# KiCad board Phoenix_Project_No1-TypeS.kicad_pcb
title: Phoenix Project No 1 - Type S; date: 2024-07-13; rev: 2.1; note: Designed with love by Rico
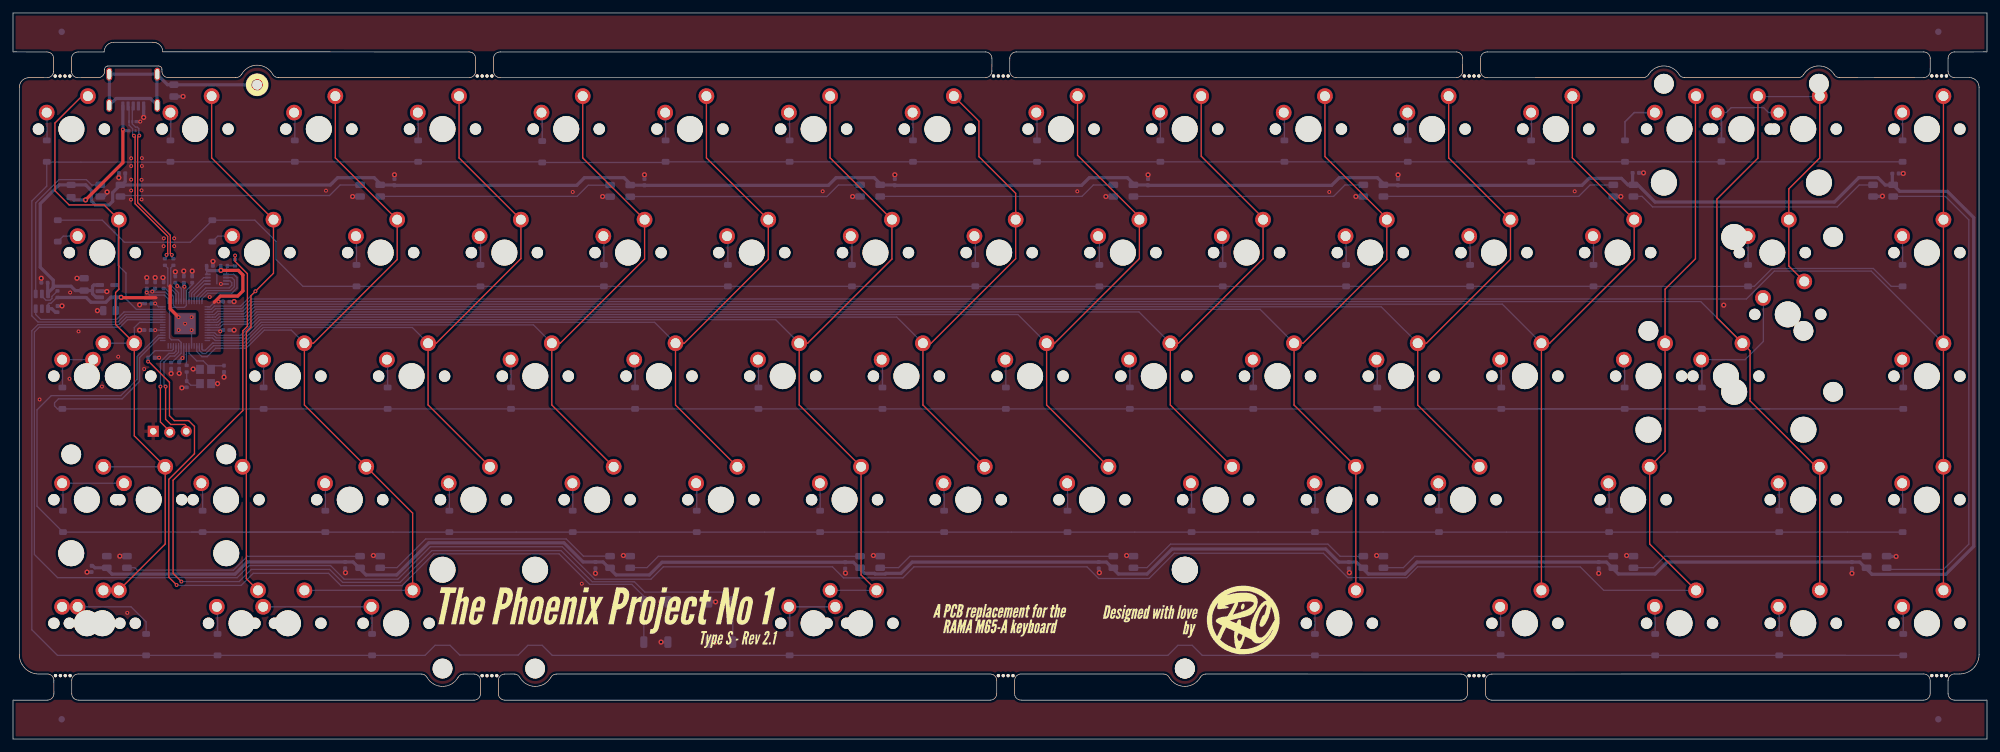
[diagram p0: board, top side]
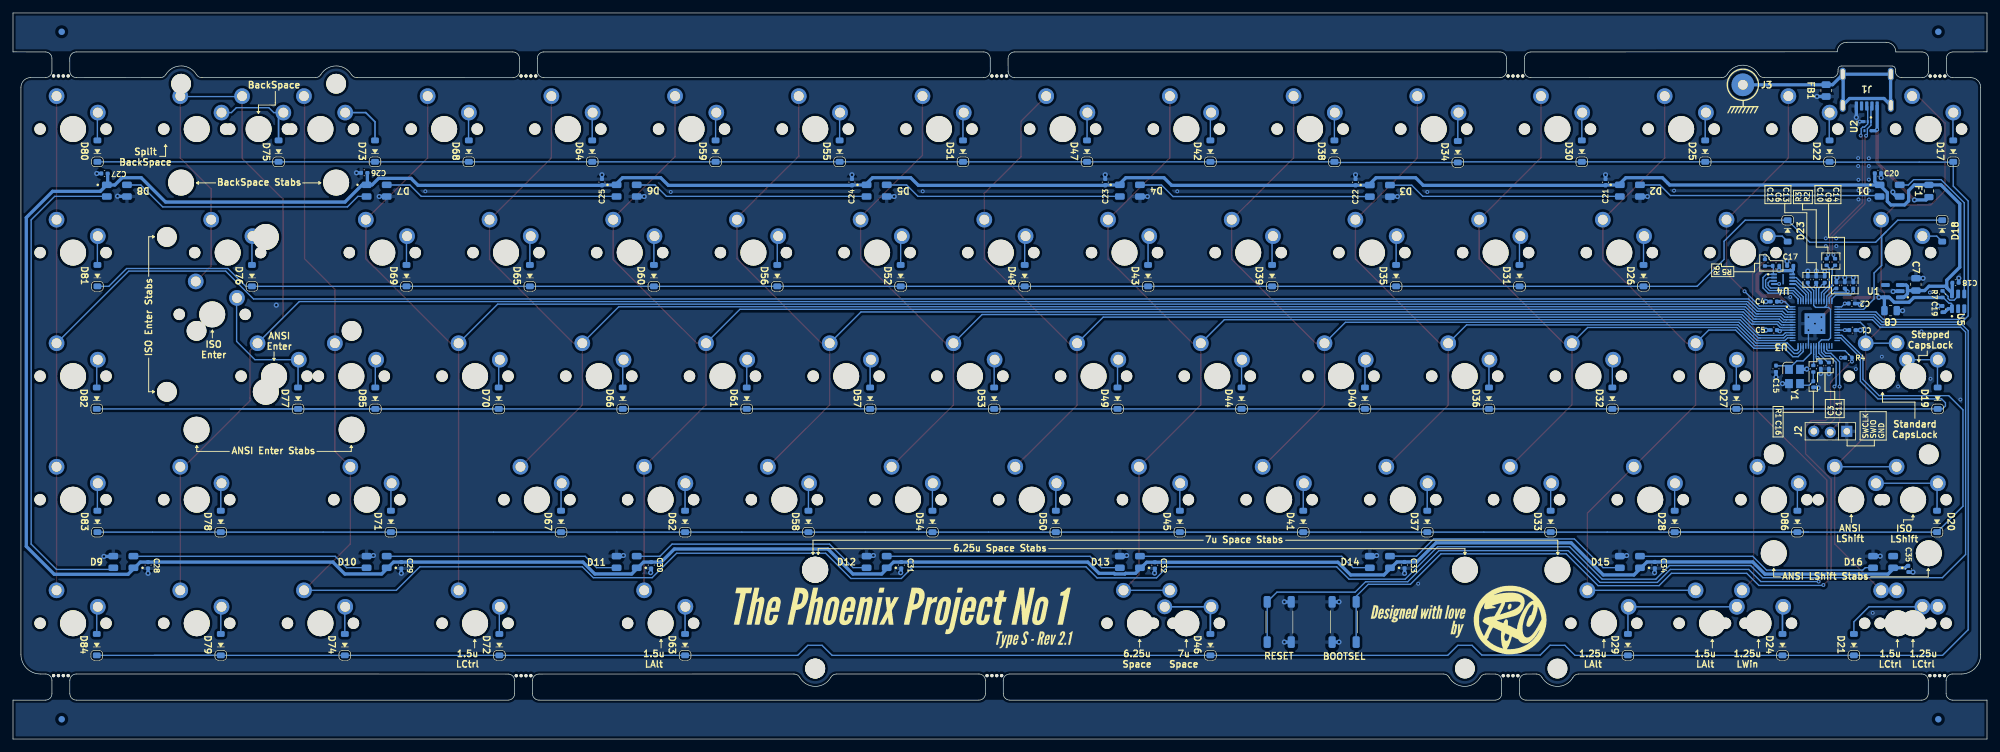
[diagram p1: board, bottom side, seen from below]

Outline 304 x 111.95 mm; copper layers: Top, Bottom. Coordinates in mm from the lower left corner of the outline.
Outline path: 5.25,101.97 2.48,101.98 arc(1.41,101.54) 0.98,100.48 0.98,13.03 arc(1.85,10.9) 3.98,10.03 5.3,10.03 ; 5.25,105.94 0,105.95 0,111.95 304,111.95 304,105.95 299,105.94 ; 5.3,6 0,6 0,0 304,0 304,6 299,6 ; 6.25,102.97 6.25,104.94 ; 6.3,7 6.3,9.03 ; 9,102.97 9.01,104.94 ; 9.05,7 9.05,9.03 ; 10,101.97 13.11,101.98 arc(13.82,102.27) 14.11,102.98 14.11,103.28 arc(14.26,103.63) 14.61,103.78 22.44,103.78 arc(22.79,103.63) 22.94,103.28 22.94,102.98 arc(23.23,102.27) 23.94,101.98 34.33,101.98 arc(34.84,102.12) 35.2,102.5 arc(37.6,103.9) 40,102.5 arc(40.36,102.12) 40.87,101.98 70.25,101.98 ; 10.05,10.03 62.88,10.03 arc(63.39,9.89) 63.75,9.52 arc(66.15,8.12) 68.55,9.52 arc(68.91,9.89) 69.42,10.03 71,10.02 ; 10.05,6 71,6 ; 10,105.94 14.04,105.94 arc(14.48,107) 15.54,107.43 21.57,107.43 arc(22.63,107.01) 23.07,105.96 70.25,105.94 ; 71.25,102.98 71.25,104.94 ; 72,7 72,9.02 ; 74,102.98 74,104.94 ; 74.75,7 74.75,9.02 ; 75,105.94 149.75,105.94 ; 75,101.98 149.75,101.98 ; 75.75,6 150.5,6 ; 75.75,10.02 77.17,10.03 arc(77.67,9.89) 78.04,9.52 arc(80.44,8.12) 82.83,9.52 arc(83.2,9.89) 83.71,10.03 150.5,10.03 ; 150.75,102.98 150.75,104.94 ; 151.5,7 151.5,9.03 ; 153.5,102.98 153.5,104.94 ; 154.25,7 154.25,9.03 ; 154.5,101.98 222.25,101.98 ; 154.5,105.94 222.25,105.94 ; 155.25,6 223,6 ; 155.25,10.03 177.18,10.03 arc(177.69,9.89) 178.05,9.52 arc(180.45,8.12) 182.85,9.52 arc(183.21,9.89) 183.72,10.03 223,10.02 ; 223.25,102.98 223.25,104.94 ; 224,7 224,9.02 ; 226,102.98 226,104.94 ; 226.75,7 226.75,9.02 ; 227,101.98 251.03,101.98 arc(251.52,102.1) 251.88,102.46 arc(254.24,103.78) 256.59,102.46 arc(256.95,102.1) 257.45,101.98 274.9,101.98 arc(275.4,102.1) 275.76,102.46 arc(278.11,103.79) 280.47,102.46 arc(280.83,102.1) 281.32,101.98 294.25,101.99 ; 227,105.94 294.25,105.94 ; 227.75,10.02 294.25,10.03 ; 227.75,6 294.25,6 ; 295.25,102.99 295.25,104.94 ; 295.25,7 295.25,9.03 ; 298,102.99 298,104.94 ; 298,7 298,9.03 ; 299,101.99 301.27,101.99 arc(302.34,101.55) 302.78,100.49 302.78,13.03 arc(301.89,10.9) 299.75,10.03 299,10.03
Stack: Top 0.035mm / dielectric 1.51mm FR4 er 4.5 / Bottom 0.035mm

## Placement (name value [footprint] x y rotation side)
C1  100n  [C_402]  20.72 63.05 180 bottom
C2  100n  [C_402]  20.82 67.15 180 bottom
C3  100n  [C_402]  25.6 57.58 270 bottom
C4  100n  [C_402]  32.85 67.45 0 bottom
C5  100n  [C_402]  32.85 63.05 0 bottom
C6  100n  [C_402]  26.3 70.85 90 bottom
C7  4.7u  [C_805]  10.95 70.1 90 bottom
C8  4.7u  [C_805]  14.85 66.05 180 bottom
C9  1u  [C_402]  21.9 69.95 90 bottom
C10  1u  [C_402]  23.2 69.95 90 bottom
C11  100n  [C_402]  24.35 57.58 270 bottom
C12  100n  [C_402]  27.6 70.85 90 bottom
C13  100n  [C_402]  25 70.85 90 bottom
C14  100n  [C_402]  20.6 69.95 90 bottom
C15  30p  [C_402]  32.5 57.1 90 bottom
C16  30p  [C_402]  26.75 54.7 90 bottom
C17  100n  [C_402]  30.3 72.95 0 bottom
C18  100n  [C_402]  4.85 70.35 180 bottom
C19  100n  [C_402]  6.85 66.29 90 bottom
C20  100n  [C_402]  16.8 87.25 0 bottom
C21  100n  [C_402]  58.75 85.85 270 bottom
C22  100n  [C_402]  97.25 85.85 270 bottom
C23  100n  [C_402]  135.8 85.85 270 bottom
C24  100n  [C_402]  174.8 85.85 270 bottom
C25  100n  [C_402]  213.3 85.85 270 bottom
C26  100n  [C_402]  249.9 87.3 180 bottom
C27  100n  [C_402]  289.9 87.2 180 bottom
C28  100n  [C_402]  283.2 26.8 90 bottom
C29  100n  [C_402]  244.2 26.8 90 bottom
C30  100n  [C_402]  205.72 26.8 90 bottom
C31  100n  [C_402]  167.21 26.81 90 bottom
C32  100n  [C_402]  128.16 26.78 90 bottom
C33  100n  [C_402]  89.7 26.82 90 bottom
C34  100n  [C_402]  51.16 26.82 90 bottom
C35  100n  [C_402]  12.1 26.23 90 bottom
D1  WS2812B  [WS6812_Mini]  15 84.55 180 bottom
D2  WS2812B  [WS6812_Mini]  55 84.55 180 bottom
D3  WS2812B  [WS6812_Mini]  93.5 84.52 180 bottom
D4  WS2812B  [WS6812_Mini]  132 84.55 180 bottom
D5  WS2812B  [WS6812_Mini]  171 84.55 180 bottom
D6  WS2812B  [WS6812_Mini]  209.5 84.55 180 bottom
D7  WS2812B  [WS6812_Mini]  248 84.55 180 bottom
D8  WS2812B  [WS6812_Mini]  288 84.55 180 bottom
D9  WS2812B  [WS6812_Mini]  287 27.3 0 bottom
D10  WS2812B  [WS6812_Mini]  248 27.3 0 bottom
D11  WS2812B  [WS6812_Mini]  209.5 27.3 0 bottom
D12  WS2812B  [WS6812_Mini]  171 27.3 0 bottom
D13  WS2812B  [WS6812_Mini]  132 27.3 0 bottom
D14  WS2812B  [WS6812_Mini]  93.5 27.3 0 bottom
D15  WS2812B  [WS6812_Mini]  55 27.3 0 bottom
D16  WS2812B  [WS6812_Mini]  16 27.3 0 bottom
D17  1N4148W  [D_SOD-123]  5.2 90.65 90 bottom
D18  1N4148W  [D_SOD-123]  6.9 78.35 270 bottom
D19  1N4148W  [D_SOD-123]  7.6 52.55 90 bottom
D20  1N4148W  [D_SOD-123]  7.7 33.55 90 bottom
D21  1N4148W  [D_SOD-123]  20.5 14.55 90 bottom
D22  1N4148W  [D_SOD-123]  24.25 90.65 90 bottom
D23  1N4148W  [D_SOD-123]  30.7 78.35 270 bottom
D24  1N4148W  [D_SOD-123]  31.5 14.55 90 bottom
D25  1N4148W  [D_SOD-123]  43.4 90.65 90 bottom
D26  1N4148W  [D_SOD-123]  52.9 71.45 90 bottom
D27  1N4148W  [D_SOD-123]  38.6 52.55 90 bottom
D28  1N4148W  [D_SOD-123]  48.1 33.55 90 bottom
D29  1N4148W  [D_SOD-123]  55.3 14.55 90 bottom
D30  1N4148W  [D_SOD-123]  62.4 90.65 90 bottom
D31  1N4148W  [D_SOD-123]  72 71.45 90 bottom
D32  1N4148W  [D_SOD-123]  57.7 52.55 90 bottom
D33  1N4148W  [D_SOD-123]  67.2 33.55 90 bottom
D34  1N4148W  [D_SOD-123]  81.5 90.55 90 bottom
D35  1N4148W  [D_SOD-123]  91 71.45 90 bottom
D36  1N4148W  [D_SOD-123]  76.7 52.55 90 bottom
D37  1N4148W  [D_SOD-123]  86.2 33.55 90 bottom
D38  1N4148W  [D_SOD-123]  100.5 90.65 90 bottom
D39  1N4148W  [D_SOD-123]  110.1 71.45 90 bottom
D40  1N4148W  [D_SOD-123]  95.8 52.55 90 bottom
D41  1N4148W  [D_SOD-123]  105.3 33.55 90 bottom
D42  1N4148W  [D_SOD-123]  119.6 90.65 90 bottom
D43  1N4148W  [D_SOD-123]  129.2 71.45 90 bottom
D44  1N4148W  [D_SOD-123]  114.8 52.55 90 bottom
D45  1N4148W  [D_SOD-123]  124.3 33.55 90 bottom
D46  1N4148W  [D_SOD-123]  119.6 14.55 90 bottom
D47  1N4148W  [D_SOD-123]  138.6 90.65 90 bottom
D48  1N4148W  [D_SOD-123]  148.2 71.45 90 bottom
D49  1N4148W  [D_SOD-123]  133.9 52.55 90 bottom
D50  1N4148W  [D_SOD-123]  143.4 33.55 90 bottom
D51  1N4148W  [D_SOD-123]  157.7 90.65 90 bottom
D52  1N4148W  [D_SOD-123]  167.3 71.45 90 bottom
D53  1N4148W  [D_SOD-123]  152.9 52.55 90 bottom
D54  1N4148W  [D_SOD-123]  162.4 33.55 90 bottom
D55  1N4148W  [D_SOD-123]  176.7 90.65 90 bottom
D56  1N4148W  [D_SOD-123]  186.3 71.45 90 bottom
D57  1N4148W  [D_SOD-123]  172 52.55 90 bottom
D58  1N4148W  [D_SOD-123]  181.5 33.55 90 bottom
D59  1N4148W  [D_SOD-123]  195.8 90.65 90 bottom
D60  1N4148W  [D_SOD-123]  205.3 71.45 90 bottom
D61  1N4148W  [D_SOD-123]  191 52.55 90 bottom
D62  1N4148W  [D_SOD-123]  200.5 33.55 90 bottom
D63  1N4148W  [D_SOD-123]  200.5 14.55 90 bottom
D64  1N4148W  [D_SOD-123]  214.8 90.65 90 bottom
D65  1N4148W  [D_SOD-123]  224.4 71.45 90 bottom
D66  1N4148W  [D_SOD-123]  210.1 52.55 90 bottom
D67  1N4148W  [D_SOD-123]  219.6 33.55 90 bottom
D68  1N4148W  [D_SOD-123]  233.8 90.65 90 bottom
D69  1N4148W  [D_SOD-123]  243.4 71.45 90 bottom
D70  1N4148W  [D_SOD-123]  229.2 52.55 90 bottom
D71  1N4148W  [D_SOD-123]  245.8 33.55 90 bottom
D72  1N4148W  [D_SOD-123]  229.1 14.55 90 bottom
D73  1N4148W  [D_SOD-123]  248.25 90.65 90 bottom
D74  1N4148W  [D_SOD-123]  252.9 14.55 90 bottom
D75  1N4148W  [D_SOD-123]  263.1 90.65 90 bottom
D76  1N4148W  [D_SOD-123]  267.2 71.45 90 bottom
D77  1N4148W  [D_SOD-123]  260.1 52.55 90 bottom
D78  1N4148W  [D_SOD-123]  272 33.55 90 bottom
D79  1N4148W  [D_SOD-123]  272 14.55 90 bottom
D80  1N4148W  [D_SOD-123]  291 90.65 90 bottom
D81  1N4148W  [D_SOD-123]  291 71.45 90 bottom
D82  1N4148W  [D_SOD-123]  291.1 52.55 90 bottom
D83  1N4148W  [D_SOD-123]  291 33.55 90 bottom
D84  1N4148W  [D_SOD-123]  291.1 14.55 90 bottom
D85  1N4148W  [D_SOD-123]  248.2 52.55 90 bottom
D86  1N4148W  [D_SOD-123]  29.2 33.55 90 bottom
F1  SMD0805-110  [F_805]  8.95 84.5 90 bottom
FB1  CBW201209U121T  [R_805]  24.78 99.99 90 bottom
FID1  Fiducial  [Fiducial_1mm_Mask2mm]  7.5 109.05 180 bottom
FID2  Fiducial  [Fiducial_1mm_Mask2mm]  296.5 109.05 180 bottom
FID3  Fiducial  [Fiducial_1mm_Mask2mm]  7.5 3.05 0 bottom
FID4  Fiducial  [Fiducial_1mm_Mask2mm]  296.5 3.05 0 bottom
H1  Phoenix_Projet_TypeS_Rev2_Front  [The_Phoenix_Project_No1_TypeS_Rev2_1_Logo]  91.7 18.65 0 top
H2  Phoenix_Projet_TypeS_Rev2_Back  [The_Phoenix_Project_No1_TypeS_Rev2_1_Logo]  166.8 18.6 180 bottom
H3  M65A_Text_Front  [M65-A_Replacement_Logo]  151.95 18.4 0 top
H4  Designed_By_Front  [DesignedWithLove_Logo]  175.25 18.35 0 top
H5  Rico_Logo_Front  [Rico_Logo]  189.4 18.35 0 top
H6  Designed_By_Back  [DesignedWithLove_Logo]  87.5 18.35 180 bottom
H7  Rico_Logo_Back  [Rico_Logo]  73.5 18.35 180 bottom
H8  -  [Mousebite4_half]  8 102.22 180 top
H9  -  [Mousebite4_half]  73 102.23 180 top
H10  -  [Mousebite4_half]  152.5 102.23 180 top
H11  -  [Mousebite4_half]  225 102.23 180 top
H12  -  [Mousebite4_half]  297 102.24 180 top
H13  -  [Mousebite4_half]  7.3 9.78 0 top
H14  -  [Mousebite4_half]  73 9.77 0 top
H15  -  [Mousebite4_half]  152.5 9.78 0 top
H16  -  [Mousebite4_half]  225 9.77 0 top
H17  -  [Mousebite4_half]  296.25 9.78 0 top
H18  -  [Mousebite4_nohole]  224.25 105.69 0 top
H19  -  [Mousebite4_nohole]  7.25 105.69 0 top
H20  -  [Mousebite4_nohole]  8.05 6.25 180 top
H21  -  [Mousebite4_nohole]  297 6.25 180 top
H22  -  [Mousebite4_nohole]  72.25 105.69 0 top
H23  -  [Mousebite4_nohole]  73.75 6.25 180 top
H24  -  [Mousebite4_nohole]  225.75 6.25 180 top
H25  -  [Mousebite4_nohole]  151.75 105.69 0 top
H26  -  [Mousebite4_nohole]  296.25 105.69 0 top
H27  -  [Mousebite4_nohole]  153.25 6.25 180 top
J1  USB_B_Mini  [HRO-U-M-M5DD-W-1]  18.52 96.51 180 bottom
J2  SWD  [SWD_Header]  21.6 47.45 270 bottom
J3  Shield  [Shield_Pad]  37.6 100.88 0 top
R1  1000  [R_402]  26.75 57.1 90 bottom
R2  27  [R_402]  23.4 73.55 270 bottom
R3  27  [R_402]  24.7 73.55 270 bottom
R4  10k  [R_402]  21.3 58.8 0 bottom
R5  10k  [R_402]  32.5 72.95 180 bottom
R6  1000  [R_402]  34.2 73.45 270 bottom
R7  10k  [R_402]  6.85 68.59 90 bottom
SW1  K2-1187SQ-A4SW-06  [K2-1187SQ-B4SW-06]  109 18.05 90 bottom
SW2  K2-1187SQ-A4SW-06  [K2-1187SQ-B4SW-06]  99 18.05 270 bottom
SW3  `  [Mx_Sw_1u]  9 94.05 0 top
SW4  Tab  [Mx_Sw_15u]  13.76 75 0 top
SW5  Caps  [Mx_Sw_Stepped_175u]  11.38 55.95 0 top
SW6  LShift  [Mx_Sw_225u]  20.91 36.9 0 top
SW7  LCtrl  [Mx_Sw_15u]  13.76 17.85 0 top
SW8  Caps  [Mx_Sw_175u]  16.14 55.95 0 top
SW9  LCtrl  [Mx_Sw_125u]  11.38 17.85 0 top
SW10  1  [Mx_Sw_1u]  28.05 94.05 0 top
SW11  Q  [Mx_Sw_1u]  37.58 75 0 top
SW12  LWin  [Mx_Sw_125u]  35.19 17.85 0 top
SW13  2  [Mx_Sw_1u]  47.1 94.05 0 top
SW14  W  [Mx_Sw_1u]  56.62 75 0 top
SW15  A  [Mx_Sw_1u]  42.34 55.95 0 top
SW16  Z  [Mx_Sw_1u]  51.86 36.9 0 top
SW17  LAlt  [Mx_Sw_15u]  42.34 17.85 0 top
SW18  LAlt  [Mx_Sw_125u]  59.01 17.85 0 top
SW19  3  [Mx_Sw_1u]  66.15 94.05 0 top
SW20  E  [Mx_Sw_1u]  75.67 75 0 top
SW21  S  [Mx_Sw_1u]  61.39 55.95 0 top
SW22  X  [Mx_Sw_1u]  70.91 36.9 0 top
SW23  4  [Mx_Sw_1u]  85.2 94.05 0 top
SW24  R  [Mx_Sw_1u]  94.72 75 0 top
SW25  D  [Mx_Sw_1u]  80.44 55.95 0 top
SW26  C  [Mx_Sw_1u]  89.96 36.9 0 top
SW27  5  [Mx_Sw_1u]  104.25 94.05 0 top
SW28  T  [Mx_Sw_1u]  113.78 75 0 top
SW29  F  [Mx_Sw_1u]  99.49 55.95 0 top
SW30  V  [Mx_Sw_1u]  109.01 36.9 0 top
SW31  6  [Mx_Sw_1u]  123.3 94.05 0 top
SW32  Y  [Mx_Sw_1u]  132.82 75 0 top
SW33  G  [Mx_Sw_1u]  118.54 55.95 0 top
SW34  B  [Mx_Sw_1u]  128.06 36.9 0 top
SW35  Space  [Mx_Sw_7u_North_Stab]  123.3 17.85 0 top
SW36  Space  [Mx_Sw_625u_North_Stab]  130.44 17.85 0 top
SW37  7  [Mx_Sw_1u]  142.35 94.05 0 top
SW38  U  [Mx_Sw_1u]  151.88 75 0 top
SW39  H  [Mx_Sw_1u]  137.59 55.95 0 top
SW40  N  [Mx_Sw_1u]  147.11 36.9 0 top
SW41  8  [Mx_Sw_1u]  161.4 94.05 0 top
SW42  I  [Mx_Sw_1u]  170.93 75 0 top
SW43  J  [Mx_Sw_1u]  156.64 55.95 0 top
SW44  M  [Mx_Sw_1u]  166.16 36.9 0 top
SW45  9  [Mx_Sw_1u]  180.45 94.05 0 top
SW46  O  [Mx_Sw_1u]  189.97 75 0 top
SW47  K  [Mx_Sw_1u]  175.69 55.95 0 top
SW48  ,  [Mx_Sw_1u]  185.21 36.9 0 top
SW49  0  [Mx_Sw_1u]  199.5 94.05 0 top
SW50  P  [Mx_Sw_1u]  209.03 75 0 top
SW51  L  [Mx_Sw_1u]  194.74 55.95 0 top
SW52  .  [Mx_Sw_1u]  204.26 36.9 0 top
SW53  RAlt  [Mx_Sw_15u]  204.26 17.85 0 top
SW54  -  [Mx_Sw_1u]  218.55 94.05 0 top
SW55  [  [Mx_Sw_1u]  228.07 75 0 top
SW56  ;  [Mx_Sw_1u]  213.79 55.95 0 top
SW57  /  [Mx_Sw_1u]  223.31 36.9 0 top
SW58  =  [Mx_Sw_1u]  237.6 94.05 0 top
SW59  ]  [Mx_Sw_1u]  247.12 75 0 top
SW60  ,  [Mx_Sw_1u]  232.84 55.95 0 top
SW61  RShift  [Mx_Sw_175u]  249.51 36.9 0 top
SW62  RCtrl  [Mx_Sw_15u]  232.84 17.85 0 top
SW63  Extra  [Mx_Sw_1u]  256.65 94.05 0 top
SW64  Left  [Mx_Sw_1u]  256.65 17.85 0 top
SW65  Backspace  [Mx_Sw_2u]  266.18 94.05 0 top
SW66  \  [Mx_Sw_15u]  270.94 75 0 top
SW67  Enter  [Mx_Sw_225u]  263.79 55.95 0 top
SW68  Up  [Mx_Sw_1u]  275.7 36.9 0 top
SW69  Down  [Mx_Sw_1u]  275.7 17.85 0 top
SW70  Backspace  [Mx_Sw_1u]  275.7 94.05 0 top
SW71  Del  [Mx_Sw_1u]  294.75 94.05 0 top
SW72  PgUp  [Mx_Sw_1u]  294.75 75 0 top
SW73  PgDwn  [Mx_Sw_1u]  294.75 55.95 0 top
SW74  Fn  [Mx_Sw_1u]  294.75 36.9 0 top
SW75  Right  [Mx_Sw_1u]  294.75 17.85 0 top
SW76  Enter  [Mx_Sw_Iso2]  273.32 65.47 0 top
SW77  \  [Mx_Sw_1u]  251.89 55.95 0 top
SW78  <  [Mx_Sw_1u]  32.81 36.9 0 top
SW79  LShift  [Mx_Sw_125u]  11.38 36.9 0 top
U1  ADP122AUJZ-3.3-R7  [TSOT-23-5]  14.5 69.05 0 bottom
U2  TPD3E001DRLR  [SOT-553]  18.38 94.5 270 bottom
U3  RP2040  [QFN-56-RP2040]  26.5 64.05 180 bottom
U4  W25Q16JVUXIQ  [USON8_3x2mm]  31.4 70.9 180 bottom
U5  TXS0101DBVR  [SOT-23-6]  4.45 67.49 90 bottom
Y1  12MHz  [Crystal_SMD_3225-4Pin_3.2x2.5mm]  29.65 55.9 270 bottom

## Library data of the parts
C1-C6 C11-C14 C17-C35 = -: LCSC: C1525
C7 C8 = -: LCSC: C1779
C9 C10 = -: LCSC: C52923
C15 C16 = -: LCSC: C1570
D1-D16 = -: LCSC: C527089
D17-D86 = -: LCSC: C81598
F1 = -: LCSC: C70062
FB1 = -: LCSC: C139186
J1 = -: LCSC: C145778
R1 R6 = -: LCSC: C11702
R2 R3 = -: LCSC: C25100
R4 R5 R7 = -: LCSC: C25744
SW1 SW2 = -: LCSC: C92584; Mouser: 653-B3U-3000P-B
SW3-SW79 = -: LCSC: C5184526
U1 = -: LCSC: C143910; Mouser: 584-ADP122AUJZ-3.3R7
U2 = -: LCSC: C2999113
U3 = -: LCSC: C2040
U4 = -: LCSC: C2843335; Mouser: 454-W25Q16JVUXIQTR
U5 = -: LCSC: C132604
Y1 = -: LCSC: C9002

## Footprints (pads in the part's own frame, mm; a bottom-side part is the same pattern mirrored in y, then rotated)
C_402
  rrect 0.56x0.62 smd: 1(-0.48,0)
  rrect 0.62x0.56 smd: 2(0.48,0)
C_805
  rrect 1x1.45 smd: 1(-0.95,0) 2(0.95,0)
Crystal_SMD_3225-4Pin_3.2x2.5mm
  rect 1.4x1.2 smd: 1(-1.1,-0.85) 2(1.1,-0.85) 3(1.1,0.85) 4(-1.1,0.85)
D_SOD-123
  rrect 0.9x1.2 smd: 1(-1.65,0) 2(1.65,0)
F_805
  rrect 0.975x1.4 smd: 1(-0.938,0) 2(0.938,0)
Fiducial_1mm_Mask2mm
  round 1 smd: (0,0)
HRO-U-M-M5DD-W-1
  rrect 0.5x1.4 smd: 1(1.6,1.1) 2(0.8,1.1) 3(0,1.1) 4(-0.8,1.1) 5(-1.6,1.1)
  oval 0.9x2 hole 0.6x1.6: 6(-3.7,1.2) 6(-3.7,6) 6(3.7,1.2) 6(3.7,6)
K2-1187SQ-B4SW-06
  rrect 1.8x1.1 smd: 1(-3.1,1.85) 1(3.1,1.85) 2(-3.1,-1.85) 2(3.1,-1.85)
Mousebite4_half
  round 0.5 hole 0.5 unplated: (-0.75,0) (0,0) (0.75,0) (1.5,0)
Mx_Sw_1u
  round 1.75 hole 1.75 unplated: (-5.08,0) (5.08,0)
  round 4 hole 4 unplated: (0,0)
  round 2.413 hole 1.524: 1(-3.81,2.54) 2(2.54,5.08)
Mx_Sw_2u
  round 3.05 hole 3.05 unplated: (-11.938,6.985) (11.938,6.985)
  round 4 hole 4 unplated: (-11.938,-8.255) (0,0) (11.938,-8.255)
  round 1.75 hole 1.75 unplated: (-5.08,0) (5.08,0)
  round 2.413 hole 1.524: 1(-3.81,2.54) 2(2.54,5.08)
Mx_Sw_7u_North_Stab
  round 4 hole 4 unplated: (-57.15,8.255) (0,0) (57.15,8.255)
  round 3.05 hole 3.05 unplated: (-57.15,-6.985) (57.15,-6.985)
  round 1.75 hole 1.75 unplated: (-5.08,0) (5.08,0)
  round 2.286 hole 1.524: 1(-3.81,2.54) 2(2.54,5.08)
Mx_Sw_15u
  round 1.75 hole 1.75 unplated: (-5.08,0) (5.08,0)
  round 4 hole 4 unplated: (0,0)
  round 2.413 hole 1.524: 1(-3.81,2.54) 2(2.54,5.08)
Mx_Sw_125u
  round 1.75 hole 1.75 unplated: (-5.08,0) (5.08,0)
  round 4 hole 4 unplated: (0,0)
  round 2.413 hole 1.524: 1(-3.81,2.54) 2(2.54,5.08)
Mx_Sw_175u
  round 1.75 hole 1.75 unplated: (-5.08,0) (5.08,0)
  round 4 hole 4 unplated: (0,0)
  round 2.413 hole 1.524: 1(-3.81,2.54) 2(2.54,5.08)
Mx_Sw_225u
  round 3.05 hole 3.05 unplated: (-11.938,6.985) (11.938,6.985)
  round 4 hole 4 unplated: (-11.938,-8.255) (0,0) (11.938,-8.255)
  round 1.75 hole 1.75 unplated: (-5.08,0) (5.08,0)
  round 2.413 hole 1.524: 1(-3.81,2.54) 2(2.54,5.08)
Mx_Sw_625u_North_Stab
  round 4 hole 4 unplated: (-50.038,8.255) (0,0) (50.038,8.255)
  round 3.05 hole 3.05 unplated: (-50.038,-6.985) (50.038,-6.985)
  round 1.75 hole 1.75 unplated: (-5.08,0) (5.08,0)
  round 2.286 hole 1.524: 1(-3.81,2.54) 2(2.54,5.08)
Mx_Sw_Iso2
  round 4 hole 4 unplated: (-8.255,11.938) (-8.255,-11.938) (0,0)
  round 1.75 hole 1.75 unplated: (-5.08,0) (5.08,0)
  round 3.05 hole 3.05 unplated: (6.985,11.938) (6.985,-11.938)
  round 2.413 hole 1.524: 1(-3.81,2.54) 2(2.54,5.08)
Mx_Sw_Stepped_175u
  round 1.75 hole 1.75 unplated: (-5.08,0) (5.08,0)
  round 4 hole 4 unplated: (0,0)
  round 2.413 hole 1.524: 1(-3.81,2.54) 2(2.54,5.08)
QFN-56-RP2040
  rrect 1.13x1.13 smd: (-0.7,-0.7) (-0.7,0.7) (0.7,-0.7) (0.7,0.7)
  rrect 0.875x0.2 smd: 1(-3.438,2.6) 2(-3.438,2.2) 3(-3.438,1.8) 4(-3.438,1.4) 5(-3.438,1) 6(-3.438,0.6) 7(-3.438,0.2) 8(-3.438,-0.2) 9(-3.438,-0.6) 10(-3.438,-1) 11(-3.438,-1.4) 12(-3.438,-1.8) 13(-3.438,-2.2) 14(-3.438,-2.6) 29(3.438,-2.6) 30(3.438,-2.2) 31(3.438,-1.8) 32(3.438,-1.4) 33(3.438,-1) 34(3.438,-0.6) 35(3.438,-0.2) 36(3.438,0.2) 37(3.438,0.6) 38(3.438,1) 39(3.438,1.4) 40(3.438,1.8) 41(3.438,2.2) 42(3.438,2.6)
  rrect 0.2x0.875 smd: 15(-2.6,-3.438) 16(-2.2,-3.438) 17(-1.8,-3.438) 18(-1.4,-3.438) 19(-1,-3.438) 20(-0.6,-3.438) 21(-0.2,-3.438) 22(0.2,-3.438) 23(0.6,-3.438) 24(1,-3.438) 25(1.4,-3.438) 26(1.8,-3.438) 27(2.2,-3.438) 28(2.6,-3.438) 43(2.6,3.438) 44(2.2,3.438) 45(1.8,3.438) 46(1.4,3.438) 47(1,3.438) 48(0.6,3.438) 49(0.2,3.438) 50(-0.2,3.438) 51(-0.6,3.438) 52(-1,3.438) 53(-1.4,3.438) 54(-1.8,3.438) 55(-2.2,3.438) 56(-2.6,3.438)
  rect 3.2x3.2 smd: 57(0,0)
R_402
  rrect 0.54x0.64 smd: 1(-0.51,0) 2(0.51,0)
R_805
  rrect 1.025x1.4 smd: 1(-0.922,0) 2(0.902,0)
Shield_Pad
  round 3.5 hole 1.5: 1(0,0)
SOT-23-6
  rrect 1.325x0.6 smd: 1(-1.137,0.95) 2(-1.137,0) 3(-1.137,-0.95) 4(1.137,-0.95) 5(1.137,0) 6(1.137,0.95)
SOT-553
  rect 0.45x0.3 smd: 1(-0.7,0.5) 2(-0.7,0) 3(-0.7,-0.5) 4(0.7,-0.5) 5(0.7,0.5)
SWD_Header
  rect 1.7x1.7 hole 1: 1(0,0)
  oval 1.7x1.7 hole 1: 2(0.15,-2.54) 3(0,-5.08)
TSOT-23-5
  rrect 1.325x0.6 smd: 1(-1.137,0.95) 2(-1.137,0) 3(-1.137,-0.95) 4(1.137,-0.95) 5(1.137,0.95)
USON8_3x2mm
  rrect 0.9x0.3 smd: 1(-1.4,0.75) 2(-1.4,0.25) 3(-1.4,-0.25) 4(-1.4,-0.75) 5(1.4,-0.75) 6(1.4,-0.25) 7(1.4,0.25) 8(1.4,0.75)
  rrect 0.2x1.6 smd: 9(0,0)
WS6812_Mini
  rrect 1.5x1 smd: 1(-1.55,0.9) 2(-1.55,-0.9) 3(1.55,-0.9) 4(1.55,0.9)
